# Allegro board T736_DEMO_CORE_AXP8191_LP4_4X_32X1_V0_5-draft.brd (continued)
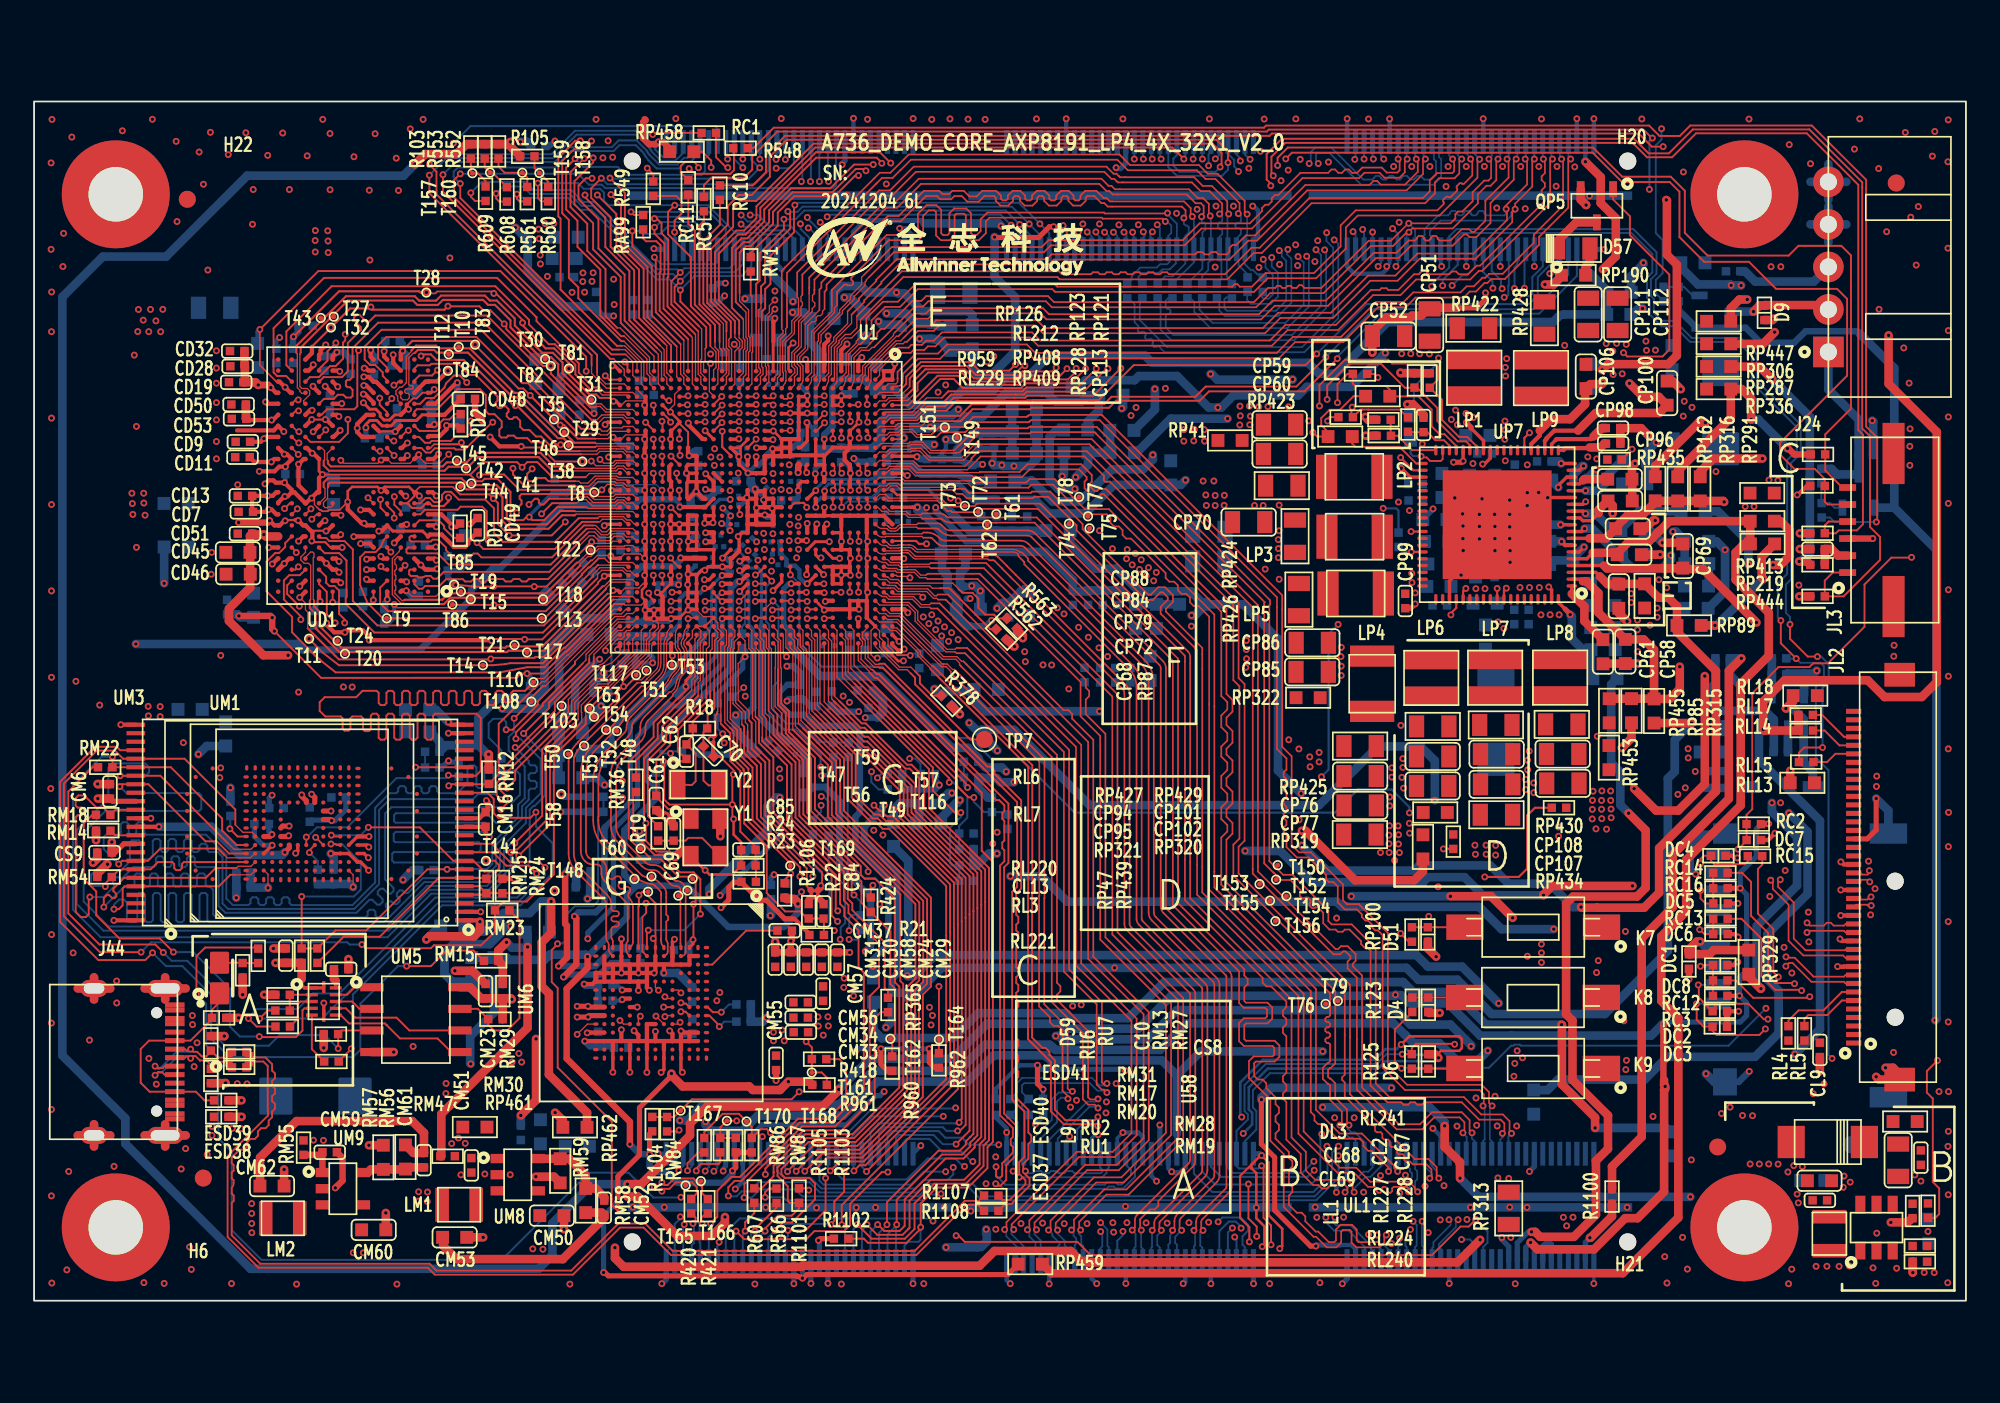
[diagram p0: board, top side]
## Nets (continued)
VDD-DRAM: C77.1 C78.1 C79.1 C80.1 C81.1 C82.1 C83.1 C134.1 C135.1 RP457.2 U1.AA14(VDD-DRAM0) U1.AA15(VDD-DRAM1) U1.AB13(VDD-DRAM2) U1.AB20(VDD-DRAM3) U1.AB21(VDD-DRAM4)
VDD-GPU: C42.1 C43.1 C44.1 C52.1 C53.1 C276.1 RP322.2 U1.AA18(VDD-GPU3) U1.AA20(VDD-GPU4) U1.Y17(VDD-GPU0) U1.Y19(VDD-GPU1) U1.Y21(VDD-GPU2)
VDD-GPUFB: RP438.1 T145.1(TP) U1.W17(VDD-GPUFB)
VDD-NPU: C269.1 C270.1 C271.1 C272.1 C273.1 RP320.2 U1.AA12(VDD-NPU3) U1.AA13(VDD-NPU4) U1.Y12(VDD-NPU0) U1.Y13(VDD-NPU1) U1.Y14(VDD-NPU2)
VDD-NPUFB: T146.1(TP) U1.Y11(VDD-NPUFB) UP7.67(DCDC7)
VDD-SYS: C63.1 C64.1 C65.1 C66.1 C67.1 C68.1 C71.1 C72.1 C73.1 C74.1 C75.1 C76.1 C131.1 C274.1 C275.1 RP41.2 U1.N13(VDD-SYS0) U1.N16(VDD-SYS1) U1.P12(VDD-SYS2) U1.P13(VDD-SYS3) U1.P14(VDD-SYS4) U1.P16(VDD-SYS5) U1.R14(VDD-SYS6) U1.W14(VDD-SYS7) U1.Y22(VDD-SYS8)
VDD-SYSFB: T147.1(TP) U1.N17(VDD-SYSFB) UP7.40(DCDC2)
VDD-USB: C246.1 RP35.2 RP54.2 U1.L24(VDD08-USB)
VDD-VE: C56.1 C57.1 C58.1 C59.1 C60.1 RP47.2 RP321.2 U1.U12(VDD-VE0) U1.V12(VDD-VE1)
VDDI-EMMC: CM10.1 CM11.1 UM1.K2(VDDI)
ALDO1: CP58.1 RP85.1 RP124.1 RP315.1 RP455.1 UP7.2(ALDO1)
ALDO2: CP68.1 RP87.1 RP89.1 RP91.1 RP138.1 RP446.1 UP7.3(ALDO2)
ALDO3: CP69.1 RP62.1 RP65.1 RP67.1 RP317.1 RP452.1 RP462.1 UP7.4(ALDO3)
ALDO4: CP72.1 RP219.1 RP444.1 RP459.1 UP7.5(ALDO4)
ALDO5: CP61.1 UP7.1(ALDO5)
ALDO6: CP62.1 RP440.1 UP7.76(ALDO6)
ALDO-6: J48.162(P162) RP440.2
ALDO-IN: CP65.1 RP410.2 UP7.6(ALDO2/3/4_IN)
AP-CK32K-OUT: J48.154(P154) U1.W33(X32KFOUT)
AP-NMI: C48.1 J48.107(P107) RL212.2 RP126.1 U1.V29(NMI) UP7.35(IRQ)
AP-RESET: C37.1 J48.115(P115) R125.1 RP191.1 U1.V27(RESET) UP7.37(PWROK)
AP-UFS-CLKOUT: RM36.1 U1.AD32(REFCLK-OUT)
AP-WAKE-BT: J48.5(P5) RW85.2
AUX-HPD: J48.88(P88) U1.E22(AUX-HPD)
AUXN: J48.86(P86) U1.F20(DP/EDP-AUXN)
AUXP: J48.84(P84) U1.E20(DP/EDP-AUXP)
BOOT-SEL-ADC: R5.2 R9.1 U1.F32(BOOT-SEL-GPADC0-0)
BT-PCM-CLK: J47.84(P84) RW83.2
BT-PCM-DIN: J47.90(P90) U1.Y6(PG13/I2S1-DOUT0/I2S1-DIN1/TWI6-)
BT-PCM-DOUT: J47.88(P88) U1.Y7(PG14/I2S1-DIN0/I2S1-DOUT1/TWI6-)
BT-PCM-SYNC: J47.86(P86) U1.Y5(PG12/I2S1-LRCK/TWI12-SDA/TWI9-S)
BT-RESETN: J48.3(P3) RW84.2
BT-UART-CTS: J47.80(P80) U1.Y2(PG8/UART1-RTS/UART4-RTS/UART5-T)
BT-UART-RTS: J47.78(P78) U1.Y3(PG9/UART1-CTS/UART4-CTS/UART5-R)
BT-UART-RX: J47.76(P76) U1.V8(PG6/UART1-TX/UART4-TX/PWM1-7/LP)
BT-UART-TX: J47.74(P74) U1.W2(PG7/UART1-RX/UART4-RX/PWM1-8/LP)
BT-WAKE-AP: J48.7(P7) RW86.2
CC1: D59.2 ESD39.2(CATHODE) ESD41.2(CATHODE) J44.A5(CC1) J44.B5(CC2)
CK-SEL0: C84.1 R21.2 R22.2 U1.AA31(CK-SEL0)
CK-SEL1: C85.1 R23.2 R24.1 U1.AA33(CK-SEL1)
COMB0-LANE0-N: J48.78(P78) U1.C23(COMB0-TX0N)
COMB0-LANE0-P: J48.80(P80) U1.B23(COMB0-TX0P)
COMB0-LANE1-N: J48.74(P74) U1.C24(COMB0-TX1N)
COMB0-LANE1-P: J48.76(P76) U1.B24(COMB0-TX1P)
COMB0-LANE2-N: J48.68(P68) U1.C26(COMB0-TX2N)
COMB0-LANE2-P: J48.70(P70) U1.B26(COMB0-TX2P)
COMB0-LANE3-N: J48.64(P64) U1.C27(COMB0-TX3N)
COMB0-LANE3-P: J48.66(P66) U1.B27(COMB0-TX3P)
COMB1-REFN: J48.65(P65) R964.1 R966.2 U1.C28(COMB1-REF-CLKN)
COMB1-REFP: J48.63(P63) R965.1 R967.2 U1.B28(COMB1-REF-CLKP)
COMB1-RX0N: J48.73(P73) U1.C29(PCIE1-RX0N/USB2-U3-RX0N)
COMB1-RX0P: J48.71(P71) U1.B29(PCIE1-RX0P/USB2-U3-RX0P)
COMB1-TX0N: J48.69(P69) U1.C30(PCIE1-TX0N/USB2-U3-TX0N)
COMB1-TX0P: J48.67(P67) U1.B30(PCIE1-TX0P/USB2-U3-TX0P)
CPUS-RX: R421.1 T166.1(TP) U1.T26(PL3/S-UART1-RX/S-UART0-RX/S-TWI)
CPUS-TCK: R419.1 R963.1 T163.1(TP) U1.T29(PL5/S-JTAG-CK/S-TWI2-SDA/S-SPI0)
CPUS-TDI: R425.1 R962.1 T164.1(TP) U1.T32(PL7/S-JTAG-DI/S-UART0-RX/S-SPI0)
CPUS-TDO: R424.1 R960.1 T162.1(TP) U1.T31(PL6/S-JTAG-DO/S-UART0-TX/S-SPI0)
CPUS-TMS: R418.1 R961.1 T161.1(TP) U1.T30(PL4/S-JTAG-MS/S-TWI2-SCK/S-SPI0)
CPUS-TX: R420.1 T165.1(TP) U1.T27(PL2/S-UART1-TX/S-UART0-TX/S-TWI)
CPUX-RX: R145.2 R549.1
CPUX-TCK: R552.1 R561.1 T159.1(TP)
CPUX-TDI: R103.1 R609.1 T157.1(TP)
CPUX-TDO: R553.1 R608.1 T160.1(TP)
CPUX-TMS: R105.1 R560.1 T158.1(TP)
CPUX-TX: R140.2 R548.1
D+: ESD37.2(CATHODE) J44.A6(D2+) J44.B6(D1+) L9.1 RU1.2
D-: ESD40.2(CATHODE) J44.A7(D2-) J44.B7(D1-) L9.2 RU2.2
DC1: LP1.2 RP422.1 UP7.31(DCDC1)
DC2: LP2.2 RP423.1
DC3: LP3.2 RP424.1
DC4: LP4.2 RP425.1
DC5: LP5.2 RP426.1
DC6: LP6.2 RP427.1
DC7: LP7.2 RP429.1
DC8: LP8.2 RP430.1
DC8SET: RP408.1 RP409.1 UP7.38(DC8SET)
DC9: LP9.2 RP428.1
DCDC1: CP51.2 CP52.2 RP38.1 RP66.1 RP327.1 RP328.1 RP329.1 RP330.1 RP413.1 RP422.2 RP453.1 RP454.1 RP461.1
DCDC2: CP59.2 CP60.2 RP41.1 RP47.1 RP48.1 RP54.1 RP61.1 RP423.2 RP456.1 RP457.1
DCDC3: CP70.2 CP71.2 RP318.1 RP424.2
DCDC4: CP76.2 CP77.2 RP319.1 RP425.2
DCDC5: CP85.2 CP86.2 RP322.1 RP426.2
DCDC5FB: RP438.2 UP7.52(DCDC5)
DCDC6: CP94.2 CP95.2 RP321.1 RP427.2 RP439.1
DCDC6FB: RP439.2 UP7.62(DCDC6)
DCDC7: CP101.2 CP102.2 RP320.1 RP429.2
DCDC8: CP107.2 CP108.2 RP325.1 RP430.2 RP434.1 RP449.1 RP450.1
DCDC8FB: RP434.2 UP7.68(DCDC8)
DCDC9: CP111.2 CP112.2 RP428.2 RP433.1
DCDC9FB: RP435.2 UP7.25(DCDC9)
DCIN: CP63.1 D37.2 D60.2 RL226.1 UP7.73(DCIN#73) UP7.74(DCIN#74)
DCIN-12V: CL10.2 QL1.2(S) R1100.2 RL8.1
DCXO-XIN: C61.1 U1.AC33(DXIN) Y1.1(XIN)
DCXO-XOUT: R19.1 U1.AC32(DXOUT)
DDR-PARA-SEL-ADC1: R1.1 R6.2 U1.G31(BOARD-ID-GPADC0-1)
DDR-PARA-SEL-ADC2: R2.2 R7.1 U1.G32(BOARD-ID-GPADC0-2)
DLDO1: CP78.1 UP7.7(DLDO1)
DLDO2: CP79.1 RP69.1 RP75.1 RP114.1 RP162.1 RP291.1 RP316.1 RP451.1 UP7.8(DLDO2)
DLDO3: CP80.1 RP340.1 RP341.1 RP343.1 RP344.1 RP460.1 UP7.9(DLDO3)
DLDO4: CP81.1 UP7.10(DLDO4)
DLDO5: CP84.1 RP36.1 RP139.1 RP217.1 UP7.11(DLDO5)
DLDO6: CP87.1 RP312.1 UP7.12(DLDO6)
DLDO-IN: CP74.1 RP412.2 RP413.2 UP7.13(DLDO_IN)
DP-REXT: R376.2 U1.E24(DP/EDP-REXT)
DXLDO-OUT: C41.1 RM37.2 U1.Y27(DXLDO-OUT)
ELDO1: CP90.1 RP445.1 RP448.1 UP7.17(ELDO1)
ELDO2: CP92.1 UP7.18(ELDO2)
ELDO3: CP93.1 UP7.19(ELDO3)
ELDO4: CP96.1 UP7.20(ELDO4)
ELDO5: CP98.1 UP7.21(ELDO5)
ELDO6: CP100.1 RP33.1 RP35.1 UP7.22(ELDO6)
ELDO-IN: CP88.1 D58.2 RP433.2 RP435.1 UP7.16(ELDO_IN)
FB-GND2: C5.2 C6.2 C7.2 C8.2 C9.2 C10.2 C11.2 C12.2 C13.2 C14.2 C15.2 C16.2 C17.2 C18.2 C19.2 C20.2 C21.2 C22.2 C23.2 C24.2 C25.2 C26.2 C27.2 C28.2 C29.2 C30.2 C31.2 C32.2 C33.2 C34.2 C35.2 C36.2 C37.2 C38.2 C39.2 C40.2 C41.2 C42.2 C43.2 C44.2 C45.2 C46.2 C47.1 C48.2 C49.2 C50.2 C51.2 C52.2 C53.2 C54.2 C55.2 C56.2 C57.2 C58.2 C59.2 C60.2 C61.2 C62.2 C63.2 C64.2 C65.2 C66.2 C67.2 C68.2 C69.2 C70.2 C71.2 C72.2 C73.2 C74.2 C75.2 C76.2 C77.2 C78.2 C79.2 C80.2 C81.2 C82.2 C83.2 C84.2 C85.2 C130.2 C131.2 C132.2 C134.2 C135.2 C231.2 C232.2 C233.2 C234.2 C235.1 C236.2 C237.2 C238.2 C239.1 C240.2 C241.2 C242.2 C243.2 C244.2 C245.2 C246.2 C247.2 C248.2 C249.2 C250.2 C251.2 C256.2 C257.2 C258.2 C259.1 C268.2 C269.2 C270.2 C271.2 C272.2 C273.2 C274.2 C275.2 C276.2 CD1.2 CD2.2 CD3.2 CD4.2 CD5.2 CD6.2 CD7.2 CD8.2 CD9.2 CD10.2 CD11.2 CD12.2 CD13.2 CD14.2 CD15.2 CD16.2 CD17.2 CD18.2 CD19.2 CD20.2 CD21.2 CD22.2 CD23.2 CD24.2 CD25.2 CD26.2 CD27.2 CD28.2 CD29.2 CD30.2 CD31.2 CD32.2 CD33.2 CD34.2 CD35.2 CD36.2 CD37.2 CD38.2 CD39.2 CD40.2 CD41.2 CD42.2 CD43.2 CD44.2 CD45.2 CD46.2 CD47.2 CD48.2 CD49.2 CD50.2 CD51.2 CD52.2 CD53.2 CD54.2 CD55.2 CD56.2 CD57.2 CD58.2 CL2.1 CL9.1 CL11.1 CL12.1 CL13.2 CL67.1 CL68.1 CL69.1 CM1.2 CM2.2 CM3.2 CM4.2 CM5.2 CM6.2 CM7.2 CM9.2 CM10.2 CM11.2 CM15.2 CM16.2 CM17.2 CM18.2 CM21.2 CM23.2 CM24.2 CM25.2 CM26.2 CM27.2 CM28.2 CM29.2 CM30.2 CM31.2 CM32.2 CM33.2 CM34.2 CM35.2 CM37.2 CM39.2 CM50.2 CM51.1 CM53.2 CM54.2 CM55.2 CM56.2 CM57.2 CM58.2 CM59.1 CM60.2 CM62.2 CP49.1 CP50.1 CP51.1 CP52.1 CP53.2 CP54.2 CP55.2 CP56.2 CP57.1 CP58.2 CP59.1 CP60.1 CP61.2 CP62.2 CP63.2 CP64.1 CP65.2 CP66.1 CP67.1 CP68.2 CP69.2 CP70.1 CP71.1 CP72.2 CP73.1 CP74.2 CP75.1 CP76.1 CP77.1 CP78.2 CP79.2 CP80.2 CP81.2 CP82.1 CP83.1 CP84.2 CP85.1 CP86.1 CP87.2 CP88.2 CP89.1 CP90.2 CP91.1 CP92.2 CP93.2 CP94.1 CP95.1 CP96.2 CP97.1 CP98.2 CP99.1 CP100.2 CP101.1 CP102.1 CP103.1 CP104.1 CP105.1 CP106.1 CP107.1 CP108.1 CP109.1 CP110.1 CP111.1 CP112.1 CP113.1 CS8.2 CS9.2 D4.1(ANODE) D6.1(ANODE) D8.1(ANODE) D9.1(ANODE) D51.1(ANODE) DC1.1(ANODE) DC2.1(ANODE) DC3.1(ANODE) DC4.1(ANODE) DC5.1(ANODE) DC6.1(ANODE) DC7.1(ANODE) DC8.1(ANODE) ESD37.1(ANODE) ESD38.1(ANODE) ESD39.1(ANODE) ESD40.1(ANODE) ESD41.1(ANODE) H6.1 H20.1 H21.1 H22.1 J24.4 J24.5 J44.1(SHIELD1) J44.2(SHIELD2) J44.3(SHIELD3) J44.4(SHIELD4) J44.A1(GND2) J44.A12(GND1) J44.B1(GND4) J44.B12(GND3) J47.1(P1) J47.2(P2) J47.6(P6) J47.28(P28) J47.37(P37) J47.49(P49) J47.50(P50) J47.59(P59) J47.60(P60) J47.61(P61) J47.83(P83) J47.105(P105) J47.106(P106) J47.121(P121) J47.122(P122) J47.136(P136) J47.179(P179) J47.180(P180) J47.181(GND1) J47.182(GND2) J47.183(GND3) J48.1(P1) J48.2(P2) J48.15(P15) J48.19(P19) J48.23(P23) J48.32(P32) J48.36(P36) J48.40(P40) J48.59(P59) J48.60(P60) J48.61(P61) J48.62(P62) J48.72(P72) J48.75(P75) J48.81(P81) J48.82(P82) J48.87(P87) J48.90(P90) J48.93(P93) J48.99(P99) J48.103(P103) J48.104(P104) J48.110(P110) J48.119(P119) J48.120(P120) J48.121(P121) J48.122(P122) J48.143(P143) J48.146(P146) J48.165(P165) J48.180(P180) J48.181(GND1) J48.182(GND2) J48.183(GND3) JC1.6(VSS) JC1.10(GND1) JC1.11(GND2) JC1.12(GND3) JC1.13(GND4) JL2.10(VSS0) JL2.13(VSS1) JL2.16(VSS2) JL2.19(GND1) JL2.22(GND2) JL2.25(GND3) JL2.41(GND4) JL2.42(GND5) JL3.3(GND) JL3.7(GND0) JL3.8(GND1) K7.1 K8.1 K9.1 QL2.2(E) QP5.2(SOURCE) R6.1 R7.2 R9.2 R11.2 R13.1 R17.1 R20.1 R22.1 R24.2 R142.2 R376.1 R377.1 R378.1 R379.1 R380.1 R562.1 R563.1 R966.1 R967.1 RD5.2 RL9.2 RL12.1 RL13.1 RL225.2 RL227.1 RL240.1 RM3.1 RM9.1 RM10.1 RM11.2 RM41.1 RM57.1 RM59.1 RP409.2 RP458.2 T28.1(TP) T32.1(TP) T35.1(TP) T38.1(TP) T51.1(TP) T53.1(TP) T54.1(TP) T56.1(TP) T57.1(TP) T58.1(TP) T60.1(TP) T63.1(TP) T81.1(TP) T82.1(TP) T83.1(TP) T84.1(TP) T85.1(TP) T86.1(TP) T119.1(TP) T121.1(TP) T148.1(TP) U1.A1(GND0) U1.A2(GND1) U1.A9(GND2) U1.A11(GND3) U1.A13(GND4) U1.A15(GND5) U1.A17(GND6) U1.A19(GND7) U1.A21(GND8) U1.A23(GND9) U1.A25(GND10) U1.A27(GND11) U1.A29(GND12) U1.A32(GND13) U1.A33(GND14) U1.AA32(GND122) U1.AB4(GND123) U1.AB22(GND124) U1.AB27(GND125) U1.AB30(GND126) U1.AC12(GND127) U1.AC14(GND128) U1.AC16(GND129) U1.AC31(GND130) U1.AD11(GND131) U1.AD12(GND132) U1.AD13(GND133) U1.AD14(GND134) U1.AD18(GND135) U1.AD19(GND136) U1.AD20(GND137) U1.AD21(GND138) U1.AD22(GND139) U1.AD25(GND140) U1.AD26(GND141) U1.AD27(GND142) U1.AD28(GND143) U1.AD29(GND144) U1.AD31(GND145) U1.AE10(GND146) U1.AE12(GND147) U1.AE14(GND148) U1.AE16(GND149) U1.AE18(GND150) U1.AE20(GND151) U1.AE22(GND152) U1.AE24(GND153) U1.AE33(GND154) U1.AF3(GND155) U1.AF7(GND156) U1.AF20(GND157) U1.AF30(GND158) U1.AG8(GND159) U1.AG10(GND160) U1.AG12(GND161) U1.AG14(GND162) U1.AG16(GND163) U1.AG18(GND164) U1.AG20(GND165) U1.AG22(GND166) U1.AG24(GND167) U1.AG26(GND168) U1.AG33(GND169) U1.AH5(GND170) U1.AH28(GND171) U1.AH29(GND172) U1.AH30(GND173) U1.AJ32(UFS-REFM) U1.AK4(GND174) U1.AK6(GND175) U1.AK8(GND176) U1.AK10(GND177) U1.AK12(GND178) U1.AK14(GND179) U1.AK16(GND180) U1.AK18(GND181) U1.AK20(GND182) U1.AK22(GND183) U1.AK24(GND184) U1.AK26(GND185) U1.AK28(GND186) U1.AK30(GND187) U1.AL3(GND188) U1.AM1(GND189) U1.AM33(GND190) U1.AN1(GND191) U1.AN2(GND192) U1.AN5(GND193) U1.AN7(GND194) U1.AN9(GND195) U1.AN11(GND196) U1.AN13(GND197) U1.AN15(GND198) U1.AN17(GND199) U1.AN19(GND200) U1.AN21(GND201) U1.AN23(GND202) U1.AN25(GND203) U1.AN27(GND204) U1.AN32(GND205) U1.AN33(GND206) U1.B1(GND15) U1.B2(GND16) U1.B18(GND17) U1.B33(GND18) U1.C3(GND19) U1.C18(GND20) U1.C31(GND21) U1.D10(GND22) U1.D18(GND23) U1.D20(GND24) U1.D22(GND25) U1.D24(GND26) U1.D26(GND27) U1.D28(GND28) U1.D30(GND29) U1.E1(GND30) U1.E6(GND31) U1.E10(GND32) U1.E18(GND33) U1.E28(GND34) U1.E31(GND35) U1.F4(GND36) U1.F8(GND37) U1.F10(GND38) U1.F12(GND39) U1.F14(GND40) U1.F18(GND41) U1.F22(GND42) U1.F24(GND43) U1.F28(GND44) U1.F29(GND45) U1.F30(GND46) U1.G1(GND47) U1.G10(GND48) U1.G18(GND49) U1.G20(GND50) U1.G22(GND51) U1.G24(GND52) U1.G26(GND53) U1.H4(GND54) U1.H5(GND55) U1.H10(GND56) U1.H18(GND57) U1.H20(GND58) U1.H22(GND59) U1.H24(GND60) U1.H26(GND61) U1.H29(GND62) U1.J1(GND63) U1.J12(GND64) U1.J14(GND65) U1.J18(GND66) U1.J24(GND67) U1.K6(GND68) U1.K9(GND69) U1.K12(GND70) U1.K18(GND71) U1.K25(GND72) U1.K28(GND73) U1.L1(GND74) U1.L14(GND75) U1.L18(GND76) U1.M4(GND77) U1.M5(GND78) U1.M6(GND79) U1.M7(GND80) U1.M8(GND81) U1.M9(GND82) U1.N1(GND83) U1.N11(GND84) U1.P6(GND85) U1.P9(GND86) U1.P10(GND87) U1.P11(GND88) U1.P17(GND89) U1.P32(GND90) U1.R1(GND91) U1.R12(GND92) U1.R16(GND93) U1.R18(GND94) U1.R19(GND95) U1.T8(GND96) U1.T11(GND97) U1.T13(GND98) U1.T15(GND99) U1.T17(GND100) U1.T28(GND101) U1.U13(GND102) U1.U16(GND103) U1.U18(GND104) U1.U19(GND105) U1.V5(GND106) U1.V9(GND107) U1.V15(GND108) U1.V17(GND109) U1.V18(GND110) U1.V19(GND111) U1.V20(GND112) U1.W12(GND113) U1.W16(GND114) U1.W22(GND115) U1.W31(GND116) U1.W32(GND117) U1.Y10(GND118) U1.Y23(GND119) U1.Y24(GND120) U1.Y28(GND121) U58.6(GND) UD1.A3(VSS0) UD1.A10(VSS1) UD1.AB3(VSS54) UD1.AB5(VSS55) UD1.AB8(VSS56) UD1.AB10(VSS57) UD1.C1(VSS2) UD1.C5(VSS3) UD1.C8(VSS4) UD1.C12(VSS5) UD1.D2(VSS6) UD1.D4(VSS7) UD1.D9(VSS8) UD1.D11(VSS9) UD1.E1(VSS10) UD1.E5(VSS11) UD1.E8(VSS12) UD1.E12(VSS13) UD1.G1(VSS14) UD1.G3(VSS15) UD1.G5(VSS16) UD1.G8(VSS17) UD1.G10(VSS18) UD1.G12(VSS19) UD1.J1(VSS20) UD1.J3(VSS21) UD1.J10(VSS22) UD1.J12(VSS23) UD1.K2(VSS24) UD1.K4(VSS25) UD1.K9(VSS26) UD1.K11(VSS27) UD1.N2(VSS28) UD1.N4(VSS29) UD1.N9(VSS30) UD1.N11(VSS31) UD1.P1(VSS32) UD1.P3(VSS33) UD1.P10(VSS34) UD1.P12(VSS35) UD1.T1(VSS36) UD1.T3(VSS37) UD1.T5(VSS38) UD1.T8(VSS39) UD1.T10(VSS40) UD1.T12(VSS41) UD1.V1(VSS42) UD1.V5(VSS43) UD1.V8(VSS44) UD1.V12(VSS45) UD1.W2(VSS46) UD1.W4(VSS47) UD1.W9(VSS48) UD1.W11(VSS49) UD1.Y1(VSS50) UD1.Y5(VSS51) UD1.Y8(VSS52) UD1.Y12(VSS53) UL1.2(GND) UM1.AA4(VSSQ4) UM1.AA6(VSSQ5) UM1.K4(VSSQ1) UM1.M7(VSS1) UM1.P5(VSS2) UM1.R10(VSS3) UM1.U8(VSS6) UM1.Y2(VSSQ2) UM1.Y5(VSSQ3) UM3.2(NC2) UM3.13(VSS1) UM3.23(NC8) UM3.25(NC10) UM3.36(VSS2) UM3.48(NC22) UM5.4(VSS) UM6.B2(VSS0) UM6.B11(VSS1) UM6.B12(VSS2) UM6.C1(VSS3) UM6.C2(VSS4) UM6.C3(VSS5) UM6.C11(VSS7) UM6.C12(VSS8) UM6.D3(VSS9) UM6.D12(VSS10) UM6.D13(VSS11) UM6.D14(VSS12) UM6.E1(VSS13) UM6.E2(VSS14) UM6.E3(VSS15) UM6.E12(VSS16) UM6.F3(VSS17) UM6.F12(VSS18) UM6.F13(VSS19) UM6.F14(VSS20) UM6.G1(VSS21) UM6.G2(VSS22) UM6.G3(VSS23) UM6.G10(VSS24) UM6.G12(VSS25) UM6.H3(VSS26) UM6.H5(VSS27) UM6.H10(VSS28) UM6.H12(VSS29) UM6.H13(VSS30) UM6.H14(VSS31) UM6.J1(VSS32) UM6.J2(VSS33) UM6.J3(VSS34) UM6.J5(VSS35) UM6.J12(VSS36) UM6.K3(VSS37) UM6.K5(VSS38) UM6.K12(VSS39) UM6.K13(VSS40) UM6.K14(VSS41) UM6.L1(VSS42) UM6.L2(VSS43) UM6.L3(VSS44) UM6.L12(VSS45) UM6.M3(VSS46) UM6.M4(VSS47) UM6.M5(VSS48) UM6.M12(VSS49) UM6.M13(VSS50) UM6.M14(VSS51) UM6.N2(VSS52) UM6.N3(VSS53) UM6.N4(VSS54) UM6.N5(VSS55) UM6.N11(VSS56) UM6.N12(VSS57) UM6.P4(VSS58) UM6.P5(VSS59) UM6.P11(VSS60) UM6.P12(VSS61) UM8.2(GND) UM9.2(GND) UP7.14(GND) UP7.41(FB_GND2) UP7.50(FB_GND3) UP7.51(FB_GND5) UP7.60(FB_GND4) UP7.77(E_PAD) Y1.2(GND1) Y1.4(GND2)
FEL: J48.117(P117) R123.1 U1.AD6(FEL)
GPADC4: J48.44(P44) U1.H30(GPADC0-4)
GPADC5: J48.46(P46) U1.H31(GPADC0-5)
GPADC6: J48.48(P48) U1.H32(GPADC0-6)
GPADC7: J48.50(P50) U1.J31(GPADC0-7)
GPADC8: J48.52(P52) U1.J33(GPADC0-8)
GPADC9: J48.54(P54) J48.56(P56) U1.J32(GPADC0-9)
HCEC: J48.116(P116) U1.F16(HCEC)
HHPD: J48.118(P118) U1.H16(HHPD)
HREXT: R380.2 U1.G16(HREXT)
HSCL: J48.112(P112) U1.D16(HSCL)
HSDA: J48.114(P114) U1.E16(HSDA)
HTX0N: J48.96(P96) U1.C21(HTX0N)
HTX0P: J48.98(P98) U1.B21(HTX0P)
HTX1N: J48.100(P100) U1.C20(HTX1N)
HTX1P: J48.102(P102) U1.B20(HTX1P)
HTX2N: J48.106(P106) U1.C19(HTX2N)
HTX2P: J48.108(P108) U1.B19(HTX2P)
HTXCN: J48.92(P92) U1.C22(HTXCN)
HTXCP: J48.94(P94) U1.B22(HTXCP)
JTAG-SEL: RP458.1 U1.AD7(JTAG-SEL)
LRADC0: J48.58(P58) R1102.1 U1.F31(LRADC0-0)
LVDS0-CKN: J47.69(P69) RL236.2 U1.P3(PD7/LCD0-D11/LVDS0-CKN/DSI0-D2N)
LVDS0-CKN-1: JL2.17(CLK1INN) RL236.1
LVDS0-CKP: J47.67(P67) RL237.2 U1.P2(PD6/LCD0-D10/LVDS0-CKP/DSI0-D2P)
LVDS0-CKP-1: JL2.18(CLK1INP) RL237.1
LVDS0-D0N: J47.79(P79) RL230.2 U1.L2(PD1/LCD0-D3/LVDS0-D0N/DSI0-D0N/)
LVDS0-D0N-1: JL2.8(RXIN0N) RL230.1
LVDS0-D0P: J47.81(P81) RL231.2 U1.L3(PD0/LCD0-D2/LVDS0-D0P/DSI0-D0P/)
LVDS0-D0P-1: JL2.9(RXIN0P) RL231.1
LVDS0-D1N: J47.75(P75) RL232.2 U1.M2(PD3/LCD0-D5/LVDS0-D1N/DSI0-D1N/)
LVDS0-D1N-1: JL2.11(RXIN1N) RL232.1
LVDS0-D1P: J47.77(P77) RL233.2 U1.M3(PD2/LCD0-D4/LVDS0-D1P/DSI0-D1P/)
LVDS0-D1P-1: JL2.12(RXIN1P) RL233.1
LVDS0-D2N: J47.71(P71) RL234.2 U1.N2(PD5/LCD0-D7/LVDS0-D2N/DSI0-CKN/)
LVDS0-D2N-1: JL2.14(RXIN2N) RL234.1
LVDS0-D2P: J47.73(P73) RL235.2 U1.N3(PD4/LCD0-D6/LVDS0-D2P/DSI0-CKP/)
LVDS0-D2P-1: JL2.15(RXIN2P) RL235.1
LVDS0-D3N: J47.63(P63) RL238.2 U1.R2(PD9/LCD0-D13/LVDS0-D3N/DSI0-D3N)
LVDS0-D3N-1: JL2.20(NC2) RL238.1
LVDS0-D3P: J47.65(P65) RL239.2 U1.R3(PD8/LCD0-D12/LVDS0-D3P/DSI0-D3P)
LVDS0-D3P-1: JL2.21(NC3) RL239.1
LVDS1-CKN: J47.93(P93) U1.T6(PD17/LCD0-D23/LVDS1-CKN/DSI1-D2)
LVDS1-CKP: J47.95(P95) U1.T7(PD16/LCD0-D22/LVDS1-CKP/DSI1-D2)
LVDS1-D0N: J47.103(P103) U1.P4(PD11/LCD0-D15/LVDS1-D0N/DSI1-D0)
LVDS1-D0P: J47.101(P101) U1.P5(PD10/LCD0-D14/LVDS1-D0P/DSI1-D0)
LVDS1-D1N: J47.99(P99) U1.P7(PD13/LCD0-D19/LVDS1-D1N/DSI1-D1)
LVDS1-D1P: J47.97(P97) U1.P8(PD12/LCD0-D18/LVDS1-D1P/DSI1-D1)
LVDS1-D2N: J47.91(P91) U1.T4(PD15/LCD0-D21/LVDS1-D2N/DSI1-CK)
LVDS1-D2P: J47.89(P89) U1.T5(PD14/LCD0-D20/LVDS1-D2P/DSI1-CK)
LVDS1-D3N: J47.85(P85) U1.T3(PD19/LCD0-DE/LVDS1-D3N/DSI1-D3N)
LVDS1-D3P: J47.87(P87) U1.T2(PD18/LCD0-CLK/LVDS1-D3P/DSI1-D3)
LX1: LP1.1 UP7.29(LX1)
LX2: LP2.1 UP7.42(LX2#42) UP7.43(LX2#43)
LX3: LP3.1 UP7.47(LX3#47) UP7.48(LX3#48)
LX4: LP4.1 UP7.58(LX4#58) UP7.59(LX4#59)
LX5: LP5.1 UP7.53(LX5#53) UP7.54(LX5#54)
LX6: LP6.1 UP7.63(LX6)
LX7: LP7.1 UP7.66(LX7)
LX8: LP8.1 UP7.69(LX8)
LX9: LP9.1 UP7.26(LX9)
M-PWRON-AP: J48.109(P109) R959.1
M-WAKEUP-PMU: J48.113(P113) RL212.1 RL229.1
MCSIA-CKN-1: J48.134(P134) T67.1(TP) U1.H14(PK4/MCSIA-CKN/PCIE-WAKEN/I2S4-D)
MCSIA-CKP-1: J48.136(P136) T66.1(TP) U1.G14(PK5/MCSIA-CKP/PCIE-CLKREQN/PWM1)
MCSIA-D0N-1: J48.130(P130) T61.1(TP) U1.B17(PK0/MCSIA-D0N/UART6-DCD/I2S4-BC)
MCSIA-D0P-1: J48.132(P132) T62.1(TP) U1.C17(PK1/MCSIA-D0P/UART6-DSR/I2S4-MC)
MCSIA-D1N-1: J48.138(P138) T64.1(TP) U1.E14(PK2/MCSIA-D1N/UART6-DTR/I2S4-LR)
MCSIA-D1P-1: J48.140(P140) T65.1(TP) U1.D14(PK3/MCSIA-D1P/UART6-RI/I2S4-DIN)
MCSIA-D2N-1: J48.126(P126) T69.1(TP) U1.G12(PK6/MCSIA-D2N/TWI2-SCK/UART4-TX)
MCSIA-D2P-1: J48.128(P128) T68.1(TP) U1.H12(PK7/MCSIA-D2P/TWI2-SDA/UART4-RX)
MCSIA-D3N-1: J48.142(P142) T71.1(TP) U1.E12(PK8/MCSIA-D3N/MCSI0-MCLK/UART4-)
MCSIA-D3P-1: J48.144(P144) T70.1(TP) U1.D12(PK9/MCSIA-D3P/MCSI2-MCLK/UART4-)
MCSIB-CKN-1: J48.133(P133) T78.1(TP) U1.C14(PK14/MCSIB-CKN/PCIE-PERSTN/PWM0)
MCSIB-CKP-1: J48.131(P131) T77.1(TP) U1.B14(PK15/MCSIB-CKP/PWM0-8/NCSI1-D4/)
MCSIB-D0N-1: J48.129(P129) T73.1(TP) U1.C16(PK10/MCSIB-D0N/UART6-TX/PWM0-3/)
MCSIB-D0P-1: J48.127(P127) T72.1(TP) U1.B16(PK11/MCSIB-D0P/UART6-RX/PWM0-4/)
MCSIB-D1N-1: J48.137(P137) T75.1(TP) U1.C15(PK12/MCSIB-D1N/UART6-RTS/PWM0-5)
MCSIB-D1P-1: J48.135(P135) T74.1(TP) U1.B15(PK13/MCSIB-D1P/UART6-CTS/PWM0-6)
MCSIB-D2N-1: J48.125(P125) T79.1(TP) U1.C13(PK16/MCSIB-D2N/TWI3-SCK/UART2-T)
MCSIB-D2P-1: J48.123(P123) T76.1(TP) U1.B13(PK17/MCSIB-D2P/TWI3-SDA/UART2-R)
MCSIB-D3N-1: J48.141(P141) T155.1(TP) U1.C12(PK18/MCSIB-D3N/MCSI1-MCLK/UART2)
MCSIB-D3P-1: J48.139(P139) T156.1(TP) U1.B12(PK19/MCSIB-D3P/MCSI2-MCLK/UART2)
MCSIC-CKN-1: J48.155(P155) T151.1(TP) U1.C9(PK24/MCSIC-CKN/MCSI0-MCLK/PWM0-)
MCSIC-CKP-1: J48.153(P153) T149.1(TP) U1.B9(PK25/MCSIC-CKP/MCSI1-MCLK/PWM0-)
MCSIC-D0N-1: J48.151(P151) T154.1(TP) U1.C11(PK20/MCSIC-D0N/TWI2-SCK/UART3-T)
MCSIC-D0P-1: J48.149(P149) T153.1(TP) U1.B11(PK21/MCSIC-D0P/TWI2-SDA/UART3-R)
MCSIC-D1N-1: J48.159(P159) T150.1(TP) U1.C10(PK22/MCSIC-D1N/TWI3-SCK/UART3-R)
MCSIC-D1P-1: J48.157(P157) T152.1(TP) U1.B10(PK23/MCSIC-D1P/TWI3-SDA/UART3-C)
NALE: RM12.1 U1.AM29(PC1/NAND-ALE/SDC2-RST/SDC3-RST/) UM1.U5(RESET) UM3.17(ALE)
NCE0: RM20.2 U1.AF27(PC4/NAND-CE0/SPI0-MISO/SPIF0-MI) UM3.9(CE1#)
NCE1: RM17.2 U1.AF28(PC3/NAND-CE1/SPI0-CS0/SPIF0-CS0) UM3.10(CE2#)
NCLE: RM19.2 U1.AJ28(PC2/NAND-CLE/SPI0-MOSI/SPIF0-MO) UM3.16(CLE)
NDQ0: RM23.2 U1.AJ31(PC16/NAND-DQ0/SDC2-D7/SDC3-D7/S) UM1.J6(DAT7) UM3.29(IO0)
NDQ1: RM22.2 U1.AK32(PC15/NAND-DQ1/SDC2-D2/SDC3-D2/S) UM1.H5(DAT2) UM3.30(IO1)
NDQ2: U1.AK31(PC14/NAND-DQ2/SDC2-D6/SDC3-D6/P) UM1.J5(DAT6) UM3.31(IO2)
NDQ3: U1.AL33(PC13/NAND-DQ3/SDC2-D1/SDC3-D1/P) UM1.H4(DAT1) UM3.32(IO3)
NDQ4: U1.AL32(PC11/NAND-DQ4/SDC2-D5/SDC3-D5/S) UM1.J4(DAT5) UM3.41(IO4)
NDQ5: RM54.1 T103.1(TP) T142.1(TP) U1.AL31(PC10/NAND-DQ5/SDC2-D0/SDC3-D0/S) UM1.H3(DAT0) UM3.42(IO5)
NDQ6: U1.AM31(PC9/NAND-DQ6/SDC2-D4/SDC3-D4/SP) UM1.J3(DAT4) UM3.43(IO6)
NDQ7: U1.AL30(PC8/NAND-DQ7/SDC2-D3/SDC3-D3/SP) UM1.J2(DAT3) UM3.44(IO7)
NDQS: RM18.2 U1.AM32(PC12/NAND-DQS/SPI0-CLK/SPIF0-CL) UM3.35(NC16)
NRB0: RM13.1 RM26.1 RM27.2 T108.1(TP) T140.1(TP) U1.AL29(PC6/NAND-RB0/SDC2-CMD/SDC3-CMD/) UM1.W5(CMD) UM3.7(RB1#)
NRB1: RM24.1 RM25.2 U1.AN31(PC7/NAND-RB1/SPI0-CS1/SPIF0-DQS) UM3.4(RB4#) UM3.5(RB3#)
NRBX: RM25.1 RM27.1 UM3.6(RB2#)
NRE: RM1.2 T141.1(TP) UM1.W6(CLK) UM3.8(RE#)
NWE: RM11.1 T110.1(TP) U1.AN29(PC0/NAND-WE/SDC2-DS/SDC3-DS/PC-) UM1.R5(RFU/DATA STROBE) UM3.18(WE#)
NWP: CM21.1 RM16.1 UM3.19(WP#)
PANEL0-12V: DL1.2 RL18.1
PB0: J47.157(P157) R560.2 U1.AB2(PB0/UART2-TX/UART0-TX/SPI2-CS0/)
PB1: J47.159(P159) R561.2 U1.AC1(PB1/UART2-RX/UART0-RX/SPI2-CLK/)
PB2: J47.161(P161) R608.2 U1.AC2(PB2/UART2-RTS/SPI2-MOSI/HDMI-SC)
PB3: J47.163(P163) R609.2 U1.AC3(PB3/UART2-CTS/SPI2-MISO/HDMI-SD)
PB4: J47.165(P165) RA99.1
PB5: J47.167(P167) U1.AE2(PB5/I2S0-BCLK/SPI2-CS2/PWM0-1/L)
PB6: J47.169(P169) U1.AD2(PB6/CLK-FANOUT1/I2S0-LRCK/SPI2-)
PB7: J47.171(P171) U1.AD3(PB7/CLK-FANOUT2/I2S0-DOUT0/I2S0)
PB8: J47.173(P173) U1.AE3(PB8/CLK-FANOUT3/I2S0-DIN0/I2S0-)
PB9: J47.175(P175) R548.2 U1.AD5(PB9/UART0-TX/I2S0-DIN2/I2S0-DOU)
PB10: J47.177(P177) R549.2 U1.AD4(PB10/UART0-RX/I2S0-DIN3/I2S0-DO)
PCIE-REXT: R377.2 U1.E26(PCIE-REXT/USB2-U3-REXT)
PD20: J47.109(P109) JL3.1(RST) RL221.1 U1.U3(PD20/LCD0-HSYNC/DSI-TE1/TWI0-SC)
PD21: J47.111(P111) JL3.4(INT) RL220.1 U1.U2(PD21/LCD0-VSYNC/TWI0-SDA/EINK-M)
PD22: J47.113(P113) JL3.6(SCL) RL6.1 U1.U1(PD22/PWM0-4/EINK-STV/PCIE-PERST)
PD23: J47.115(P115) JL3.5(SDA) RL7.1 U1.V4(PD23/PWM0-5/PCIE-CLKREQN/TWI0-S)
PE0-1: J47.5(P5) U1.B8(PE0/MCSI0-MCLK/CSI0-XHS/SPI3-CS)
PE1-1: J47.7(P7) U1.C8(PE1/TWI2-SCK/CSI1-XHS/SPI3-CLK/)
PE2-1: J47.9(P9) U1.D8(PE2/TWI2-SDA/CSI0-XVS-FSYNC/SPI)
PE3-1: J47.11(P11) U1.A7(PE3/TWI3-SCK/CSI1-XVS-FSYNC/PWM)
PE4-1: J47.13(P13) U1.B7(PE4/TWI3-SDA/LEDC/PWM0-1/SPI3-C)
PE5-1: J47.15(P15) U1.E8(PE5/MCSI1-MCLK/PLL-LOCK-DBG/PWM)
PE6-1: J47.17(P17) U1.C7(PE6/CLK-FANOUT1/HDMI-CEC/I2S3-D)
PE7-1: J47.19(P19) U1.B6(PE7/CLK-FANOUT2/HDMI-SCL/I2S3-B)
PE8-1: J47.21(P21) U1.C6(PE8/CLK-FANOUT3/HDMI-SDA/I2S3-L)
PE9-1: J47.23(P23) U1.D6(PE9/MCSI2-MCLK/TCON-FSYNC0/I2S3)
PE10-1: J47.25(P25) U1.A5(PE10/TWI4-SCK/TCON-FSYNC1/I2S3-)
PE11-1: J47.27(P27) U1.B5(PE11/TWI4-SDA/SPI3-MISO/I2S3-DI)
PE12-1: J47.29(P29) U1.C5(PE12/SPI3-CS0/I2S3-DOUT0/I2S3-D)
PE13-1: J47.31(P31) U1.D4(PE13/SPI3-CLK/PCIE-PERSTN/UART1)
PE14-1: J47.33(P33) RL11.1 RL228.1 U1.C4(PE14/SPI3-MOSI/PWM1-8/PCIE-CLKR)
PE15-1: J47.35(P35) RL15.2 U1.B4(PE15/SPI3-CS1/PWM1-9/IR-RX/TWI9)
PG10: J47.82(P82) U1.AA3(PG10/I2S1-MCLK/CLK-FANOUT0/PWM1)
PH0: J47.139(P139) J47.148(P148) U1.AG1(PH0/TWI0-SCK/I2S2-DOUT2/I2S2-DI)
PH1: J47.141(P141) J47.144(P144) U1.AG2(PH1/TWI0-SDA/I2S2-DOUT3/I2S2-DI)
PH2: J47.142(P142) J47.143(P143) U1.AH2(PH2/TWI1-SCK/I2S2-MCLK/RGMII0-R)
PH3: J47.145(P145) J47.146(P146) U1.AH3(PH3/TWI1-SDA/I2S2-BCLK/RGMII0-C)
PH4: J47.147(P147) J47.160(P160) U1.AF2(PH4/UART3-TX/SPI2-CS3/I2S2-LRCK)
PH5: J47.149(P149) J47.158(P158) U1.AF5(PH5/UART3-RX/I2S2-DIN1/I2S2-DOU)
PH6: J47.151(P151) J47.154(P154) U1.AF6(PH6/UART3-RTS/I2S2-DOUT1/I2S2-D)
PH7: J47.156(P156) U1.AG3(PH7/UART3-CTS/SPI2-CS2/DSI-TRIG)
PH8: J47.168(P168) U1.AH4(PH8/DMIC-CLK/SPI2-CLK/RGMII0-MD)
PH9: J47.166(P166) U1.AF4(PH9/DMIC-DATA0/SPI2-CS0/RGMII0-)
PH10: J47.152(P152) U1.AJ2(PH10/DMIC-DATA1/SPI2-MOSI/RGMII)
PH11: J47.150(P150) U1.AJ1(PH11/DMIC-DATA2/SPI2-MISO/RGMII)
PH12: J47.140(P140) U1.AL2(PH12/DMIC-DATA3/SPI2-CS1/RGMII0)
PH13: J47.164(P164) U1.AK2(PH13/UART5-TX/RGMII0-TXD3/RMII0)
PH14: J47.162(P162) U1.AK3(PH14/UART5-RX/RGMII0-TXD2/RMII0)
PH15: J47.170(P170) U1.AJ3(PH15/UART5-RTS/LEDC/DSI-TRIG-LC)
PH16: J47.172(P172) U1.AL1(PH16/UART5-CTS/SPI2-CLK/IR-TX/T)
PH17: J47.174(P174) U1.AM2(PH17/SPI2-CS0/IR-RX/TWI5-SDA/TW)
PH18: J47.176(P176) U1.AN3(PH18/SPI2-MOSI/PWM1-8/TWI7-SCK/)
PH19: J47.178(P178) U1.AM3(PH19/SPI2-MISO/PWM1-9/TWI7-SDA/)
PI0: J48.25(P25) U1.P28(PI0/UART4-TX/PWM0-1/TWI3-SCK/TW)
PI1: J48.27(P27) U1.P27(PI1/UART4-RX/PWM0-2/TWI3-SDA/TW)
PI2: J48.29(P29) U1.N33(PI2/UART6-DCD/SPI4-CS0/PWM0-3/P)
PI3: J48.31(P31) U1.N32(PI3/UART6-DSR/SPI4-CLK/PWM0-4/P)
PI4: J48.33(P33) U1.N31(PI4/UART6-DTR/SPI4-MOSI/PWM0-5/)
PI5: J48.35(P35) U1.M32(PI5/UART6-RI/SPI4-MISO/PWM0-6/T)
PI6: J48.37(P37) U1.M30(PI6/UART6-RTS/UART0-TX/SPI4-HOL)
PI7: J48.39(P39) U1.M31(PI7/UART6-CTS/UART0-RX/SPI4-WP/)
PI8: J48.41(P41) U1.M28(PI8/UART6-TX/UART5-RTS/IR-RX/PW)
PI9: J48.43(P43) U1.M29(PI9/UART6-RX/UART5-CTS/SPI4-CS1)
PI10: J48.45(P45) U1.L33(PI10/OWA0-OUT/PCIE-PERSTN/PWM1-)
PI11: J48.47(P47) U1.L32(PI11/OWA0-IN/UART5-TX/UART3-RTS)
PI12: J48.49(P49) U1.L31(PI12/IR-TX/UART5-RX/UART3-CTS/P)
PI13: J48.51(P51) U1.K32(PI13/UART2-TX/UART3-TX/PCIE-WAK)
PI14: J48.53(P53) U1.K29(PI14/UART2-RX/UART3-RX/PCIE-CLK)
PI15: J48.55(P55) U1.K31(PI15/UART3-TX/UART1-TX/PWM1-6/T)
PI16: J48.57(P57) U1.K30(PI16/UART3-RX/UART1-RX/PWM1-7/T)
PJ0: J47.32(P32) U1.G2(PJ0/LCD1-D0/LVDS2-D0P/RGMII1-RX)
PJ1: J47.30(P30) U1.G3(PJ1/LCD1-D1/LVDS2-D0N/RGMII1-RX)
PJ2: J47.36(P36) U1.H2(PJ2/LCD1-D2/LVDS2-D1P/RGMII1-RX)
PJ3: J47.34(P34) U1.H3(PJ3/LCD1-D3/LVDS2-D1N/RGMII1-CL)
PJ4: J47.38(P38) U1.K5(PJ4/LCD1-D4/LVDS2-D2P/RGMII1-TX)
PJ5: J47.40(P40) U1.K4(PJ5/LCD1-D5/LVDS2-D2N/RGMII1-TX)
PJ6: J47.44(P44) U1.J2(PJ6/LCD1-D6/LVDS2-CKP/RGMII1-TX)
PJ7: J47.42(P42) U1.J3(PJ7/LCD1-D7/LVDS2-CKN/RGMII1-TX)
PJ8: J47.48(P48) U1.K2(PJ8/LCD1-D8/LVDS2-D3P/RGMII1-MD)
PJ9: J47.46(P46) U1.K3(PJ9/LCD1-D9/LVDS2-D3N/RGMII1-MD)
PJ10: J47.8(P8) U1.A3(PJ10/LCD1-D10/LVDS3-D0P/RGMII1-)
PJ11: J47.10(P10) U1.B3(PJ11/LCD1-D11/LVDS3-D0N/RGMII1-)
PJ12: J47.14(P14) U1.C1(PJ12/LCD1-D12/LVDS3-D1P/RGMII1-)
PJ13: J47.12(P12) U1.C2(PJ13/LCD1-D13/LVDS3-D1N/RGMII1-)
PJ14: J47.22(P22) U1.E2(PJ14/LCD1-D14/LVDS3-D2P/RGMII1-)
PJ15: J47.20(P20) U1.E3(PJ15/LCD1-D15/LVDS3-D2N/RGMII1-)
PJ16: J47.18(P18) J47.41(P41) U1.D2(PJ16/LCD1-D16/LVDS3-CKP/UART5-T)
PJ17: J47.16(P16) J47.39(P39) U1.D3(PJ17/LCD1-D17/LVDS3-CKN/UART5-R)
PJ18: J47.26(P26) J47.43(P43) U1.F2(PJ18/LCD1-D18/LVDS3-D3P/UART5-R)
PJ19: J47.24(P24) J47.45(P45) U1.F3(PJ19/LCD1-D19/LVDS3-D3N/UART5-C)
PJ20: J47.47(P47) J47.52(P52) U1.H7(PJ20/LCD1-D20/UART3-RTS/I2S4-DO)
PJ21: J47.54(P54) U1.H6(PJ21/LCD1-D21/PWM1-3/UART3-CTS/)
PJ22: J47.56(P56) U1.K8(PJ22/LCD1-D22/PWM1-4/UART3-TX/U)
PJ23: J47.58(P58) U1.K7(PJ23/LCD1-D23/PWM1-5/UART3-RX/U)
PJ24: J47.51(P51) U1.F6(PJ24/LCD1-CLK/PWM1-6/UART4-TX/T)
PJ25: J47.53(P53) U1.F5(PJ25/LCD1-DE/PWM1-7/UART4-RX/TW)
PJ26: J47.55(P55) U1.H8(PJ26/LCD1-HSYNC/PWM1-8/UART4-RT)
PJ27: J47.57(P57) U1.G8(PJ27/LCD1-VSYNC/PWM1-9/UART4-CT)
PL2: J48.8(P8) R420.2
PL3: J48.10(P10) R421.2
PL4: J48.12(P12) R418.2
PL5: J48.14(P14) R419.2
PL6: J48.16(P16) R424.2
PL7: J48.18(P18) R425.2
PL8: J48.20(P20) R607.2
PL9: J48.22(P22) R566.2
PL10: J48.24(P24) R1101.1 U1.R31(PL10/S-UART0-TX/S-TWI2-SCK/S-UA)
PL11: J48.26(P26) U1.P31(PL11/S-UART0-RX/S-TWI2-SDA/S-UA)
PL12: J48.28(P28) RP391.2
PL13: J48.30(P30) RP388.2
PM5: RP365.1 U1.U31(PM5/S-UART0-RX/S-TWI2-SDA/S-TWI)
